# Altium PCB board_ordered.PcbDoc (part 1 of 3) (continued)
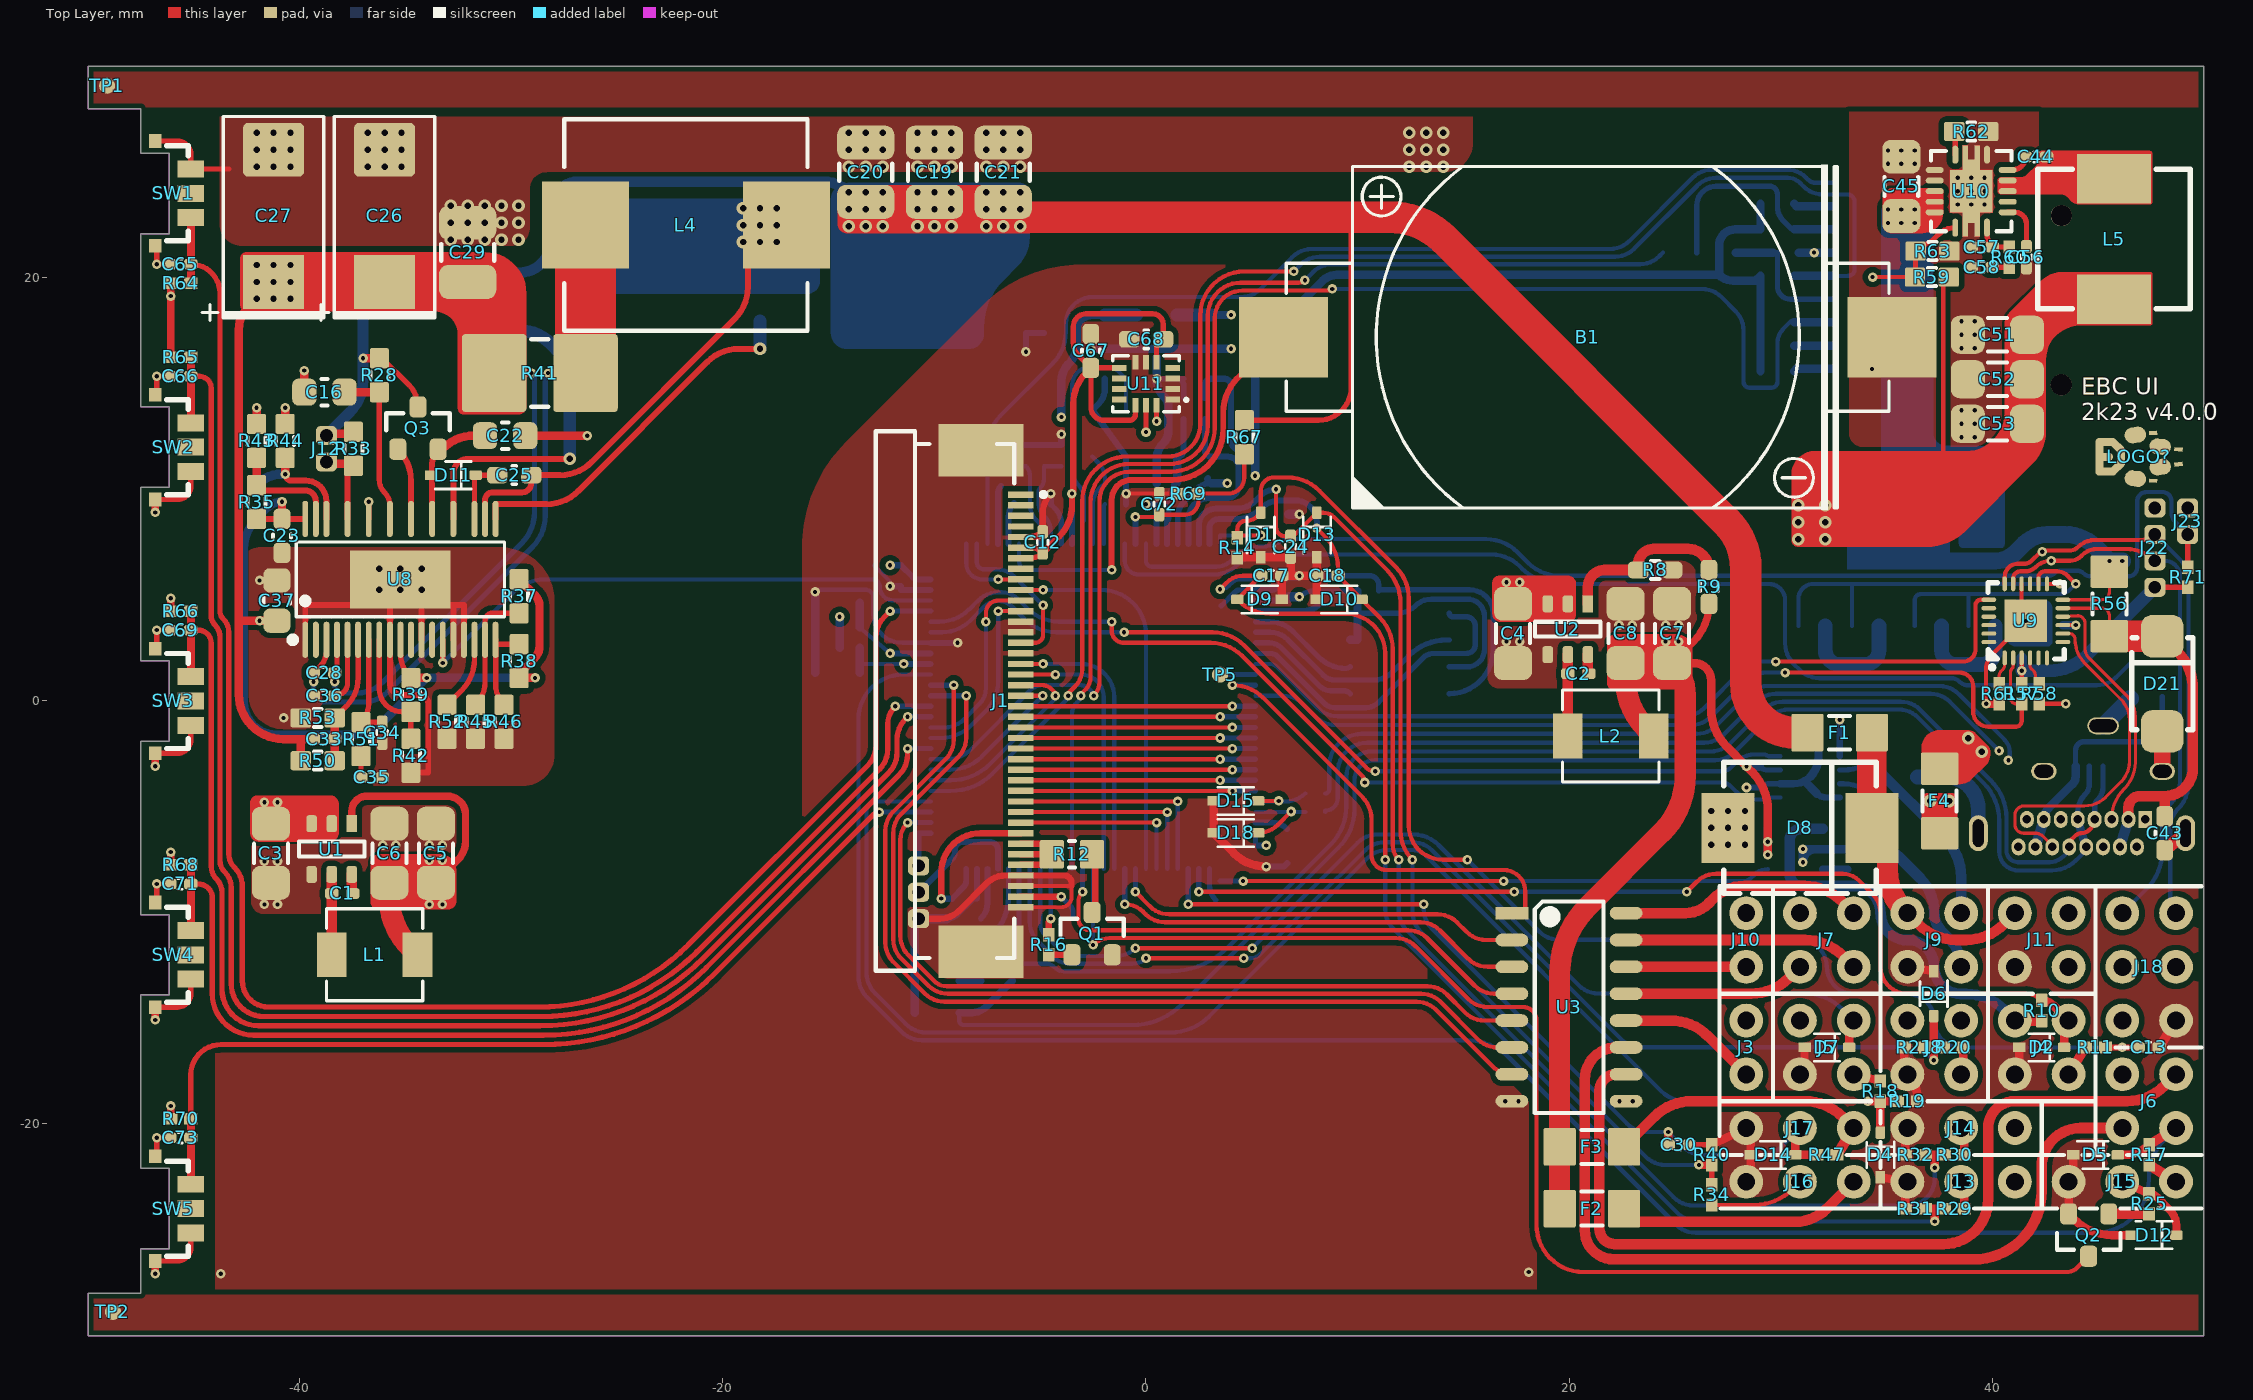
[diagram p0: Top Layer view]
## Components (designator, comment, footprint, x,y, rotation, side; value= is the part's Value field where it differs from the comment)
B1 "CR2032-BS-6-1" BAT-TH_CR2032-BS-6-1 20.885,17.2 r180 top
C1 "100nF" C0402 -38,-9.1 r180 top
C2 "100nF" C0402 20.445,1.294 r180 top
C3 "10uF" C1206 -41.372,-7.2 r90 top
C4 "10uF" C1206 17.352,3.194 r90 top
C5 "10uF" C1206 -33.572,-7.2 r270 top
C6 "10uF" C1206 -35.772,-7.2 r270 top
C7 "10uF" C1206 24.873,3.194 r270 top
C8 "10uF" C1206 22.673,3.194 r270 top
C9 "100nF" C0603 -1.944,17.45 r90 bottom
C10 "100nF" C0603 3.08,17.45 r90 bottom
C11 "100nF" C0402 30.354,21.199 r180 bottom
C12 "100nF" C0402 -4.886,7.5 r270 top
C13 "100n" C0402 47.406,-16.38 r180 top
C14 "100nF" C0402 29,-3.59 r90 bottom
C15 "100nF" C0402 32.296,-1.498 r0 bottom
C16 "" C0805 -38.843,14.604 r180 top
C17 "100n" C0402 5.928,5.923 r180 top
C18 "100n" C0402 8.579,5.923 r0 top
C19 "2u2" C1210 -10,25 r270 top
C20 "2u2" C1210 -13.25,25 r270 top
C21 "2u2" C1210 -6.75,25 r270 top
C22 "4u7" C0805 -30.297,12.545 r0 top
C23 "100n" C0603 -40.85,7.807 r90 top
C24 "100n" C0402 6.836,7.293 r90 top
C25 "100n" C0603 -29.867,10.675 r180 top
C26 "150uF" C7343 -36,23 r90 top
C27 "150uF" C7343 -41.25,23 r90 top
C28 "1n" C0402 -38.86,1.331 r180 top
C29 "22u" C1210 -32.07,21.212 r270 top
C30 "100n" C0402 25.187,-20.984 r180 top
C31 "18pF" C0402 -6.677,11.6 r270 bottom
C32 "18pF" C0402 -4,11.6 r270 bottom
C33 "" C0402 -38.86,-1.8 r0 top
C34 "100p" C0402 -36.114,-1.5 r270 top
C35 "4n7" C0402 -36.614,-3.615 r0 top
C36 "100n" C0402 -38.86,0.243 r180 top
C37 "1u" C0805 -41.091,4.75 r90 top
C38 "1uF" C0603 2.28,10.298 r0 bottom
C39 "100nF" C0402 -1.444,9.298 r180 bottom
C40 "100n" C0402 7.762,6.423 r90 bottom
C41 "1uF" C0603 -8.614,-10.343 r0 bottom
C42 "1uF" C0603 6.679,-6.864 r90 bottom
C43 "1u" C0603 48.165,-6.25 r90 top
C44 "100n" C0402 42.078,25.723 r180 top
C45 "10uF" C1206 35.712,24.329 r270 top
C46 "18pF" C0402 -1.444,15.228 r0 bottom
C47 "18pF" C0402 -1.444,10.314 r180 bottom
C48 "1uF" C0603 2.28,15.228 r0 bottom
C49 "1uF" C0603 2.28,11.501 r0 bottom
C50 "100nF" C0402 2.28,12.493 r0 bottom
C51 "10uF" C1206 40.256,17.314 r0 top
C52 "10uF" C1206 40.256,15.21 r0 top
C53 "10uF" C1206 40.256,13.106 r0 top
C54 "1u" C0402 42.85,3.588 r180 bottom
C55 "1u" C0402 41.4,2.537 r90 bottom
C56 "2n2" C0402 41.626,20.987 r270 top
C57 "91pF" C0402 39.515,21.463 r180 top
C58 "47nF" C0402 39.516,20.511 r180 top
C59 "100nF" C0402 0.5,9.798 r270 bottom
C60 "100nF" C0402 -4,9.298 r0 bottom
C61 "100nF" C0402 6.746,5.423 r270 bottom
C62 "100nF" C0402 5.18,-7.329 r90 bottom
C63 "100nF" C0402 -11.593,5.923 r90 bottom
C64 "100nF" C0402 -8.673,-9.343 r180 bottom
C65 "100n" C0402 -45.663,20.65 r180 top
C66 "100n" C0402 -45.663,15.35 r180 top
C67 "2u2" C0603 -2.605,16.55 r90 top
C68 "100n" C0603 0.01,17.101 r180 top
C69 "100n" C0402 -45.663,3.35 r180 top
C70 "100nF" C0402 10.5,5.2 r180 bottom
C71 "100n" C0402 -45.663,-8.65 r180 top
C72 "100n" C0402 0.632,9.306 r270 top
C73 "100n" C0402 -45.663,-20.65 r180 top
C74 "100n" C0402 6.746,8.331 r270 bottom
D1 "3V3" SOD-323 5.428,7.848 r270 top
D2 "5V" SOD-323 42.35,-16.38 r180 top
D3 "PESD2CAN" SOT-23 35.476,-3.59 r180 bottom
D4 "5V" SOD-323 34.723,-21.46 r270 top
D5 "5V" SOD-323 44.89,-21.46 r180 top
D6 "5V" SOD-323 37.244,-13.84 r90 top
D7 "5V" SOD-323 32.19,-16.38 r180 top
D8 "90V?" SMC 30.92,-6 r180 top
D9 "3V3" SOD-323 5.373,4.803 r0 top
D10 "3V3" SOD-323 9.134,4.803 r180 top
D11 "1N4148WS" SOD-323 -32.75,10.675 r180 top
D12 "5V" SOD-323 47.659,-25.25 r180 top
D13 "3V3" SOD-323 8.079,7.848 r270 top
D14 "3V3" SOD-323 29.65,-21.46 r180 top
D15 "3V3" SOD-323 4.25,-4.725 r180 top
D16 "3V3" SOD-323 -14.591,1.335 r180 bottom
D17 "3V3" SOD-323 -14.591,4.651 r180 bottom
D18 "3V3" SOD-323 4.25,-6.235 r180 top
D19 "3V3" SOD-323 -9.884,-13.221 r180 bottom
D20 "3V3" SOD-323 -9.884,-14.732 r180 bottom
D21 "20V" SMA 48.05,0.813 r90 top
F1 "1A" FUSE-1206 32.796,-1.5 r0 top
F2 "1A" FUSE-1206 21.082,-24 r0 top
F3 "1A" FUSE-1206 21.082,-21.082 r0 top
F4 "2A" FUSE-1206 37.524,-4.726 r270 top
J1 "0541324062" *MOLEX_0541324062 -9.5,0 r270 top locked
J2 "TF-01A" TF-SMD_TF-01A 37.8,18 r270 bottom locked
J3 "" HDR-1X2_2.54 28.38,-16.38 r0 top
J4 "" HDR-2X2_2.54 42.35,-16.38 r0 top
J5 "" HDR-2X2_2.54 32.19,-16.38 r0 top
J6 "" HDR-2X2_2.54 47.43,-18.92 r0 top
J7 "" HDR-2X2_2.54 32.19,-11.3 r0 top
J8 "" HDR-2X2_2.54 37.27,-16.38 r0 top
J9 "" HDR-2X2_2.54 37.27,-11.3 r0 top
J10 "" HDR-1X2_2.54 28.38,-11.3 r0 top
J11 "" HDR-2X2_2.54 42.35,-11.3 r0 top
J12 "" HDR-1x2-P1.25 -38.75,11.925 r270 top
J13 "" HDR-1X3_2.54 38.54,-22.73 r270 top
J14 "" HDR-1X3_2.54 38.54,-20.19 r270 top
J15 "" HDR-1X3_2.54 46.16,-22.73 r270 top
J16 "" HDR-1X3_2.54 30.92,-22.73 r270 top
J17 "" HDR-1X3_2.54 30.92,-20.19 r270 top
J18 "" HDR-2X3_2.54 47.43,-12.57 r0 top
J19 "1051330011" MICRO-USB-SMD_1051330011+ 45.25,-2.25 r0 bottom
J20 "TYPE-C-16PFS-LCH7.45-IPX8" USB-TH_TYPE-C-16PFS-LCH7.45-IPX8 44.25,-6.25 r180 bottom
J21 "SWD" HDR-1x3-P1.25 -10.75,-9.042 r270 bottom
J22 "Header 4" HDR-1x4-P1.25 47.7,7.25 r90 top
J23 "NTC" HDR-1x2-P1.25 49.25,8.5 r90 top
L1 "4.7uH" IND-SMD_L4.4-W4.2 -36.472,-12 r180 top
L2 "4.7uH" IND-SMD_L4.4-W4.2 21.973,-1.656 r180 top
L3 "BEAD" L0603 27.88,20.399 r90 bottom
L4 "33uH" IND_10X11.5MM -21.75,22.5 r180 top
L5 "4.7u" IND-SMD_L7.2-W6.6_GPSR07X0 45.771,21.84 r270 top
L6 "BEAD" L0402 2.78,13.826 r270 bottom
L7 "BEAD" L0402 1.78,13.826 r270 bottom
LOGO? "LOGO" LOGO 45.075,11.544 r270 top
Q1 "IRLML2502" SOT-23 -2.548,-11 r270 top
Q2 "IRLML2502" SOT-23 44.57,-25.25 r90 top
Q3 "BSS123" SOT-23 -34.42,12.901 r270 top
Q4 "AOD66923" "TO-252AA (DPAK)" -14.8,20.25 r270 bottom
Q5 "AOD66923" "TO-252AA (DPAK)" -27,20.25 r270 bottom
Q6 "4884" SO-8 38.25,6 r180 bottom
Q7 "4884" SO-8 32.75,6 r180 bottom
R1 "2k2" R0603#1 29.854,20.099 r180 bottom
R2 "10k" R0603#1 29.854,17.999 r180 bottom
R3 "2k2" R0603#1 29.854,16.799 r180 bottom
R4 "2k2" R0603#1 29.854,15.599 r180 bottom
R5 "2k2" R0603#1 29.854,23.499 r180 bottom
R6 "2k2" R0603#1 29.854,22.299 r180 bottom
R7 "220" R0603#1 25.239,21.199 r180 bottom
R8 "4k7" R0603#2 24.073,6.194 r0 top
R9 "3k" R0603#2 26.619,5.394 r90 top
R10 "1k" R0402 42.349,-14.634 r270 top
R11 "1k" R0402 44.89,-16.38 r180 top
R12 "" R0805 -3.5,-7.25 r0 top
R13 "3k" R0402 33.173,-7.474 r90 bottom
R14 "2k" R0402 4.318,7.25 r90 top
R15 "1k" R1206 36,-6.25 r180 bottom
R16 "2k2" R0402 -4.597,-11.524 r270 top
R17 "2k" R0402 47.43,-21.46 r270 top
R18 "1k" R0402 34.723,-18.444 r270 top
R19 "2k" R0402 36,-18.92 r180 top
R20 "1k" R0402 38.165,-16.38 r180 top
R21 "2k" R0402 36.323,-16.38 r0 top
R22 "2k" R0402 -2.976,-10.286 r180 bottom
R23 "2k2" R0402 -14.012,2.512 r180 bottom
R24 "2k2" R0402 -14.012,3.474 r180 bottom
R25 "1k" R0402 47.423,-23.774 r270 top
R26 "22" R0603#1 -6.324,-12.421 r270 bottom
R27 "22" R0603#1 -7.814,-12.421 r270 bottom
R28 "2.2" R0603#1 -36.25,15.404 r270 top
R29 "1k" R0402 38.216,-24 r180 top
R30 "1k" R0402 38.216,-21.46 r180 top
R31 "2k" R0402 36.374,-24 r0 top
R32 "2k" R0402 36.374,-21.46 r0 top
R33 "" R0603#1 -37.475,11.925 r270 top
R34 "1k" R0402 26.75,-23.349 r90 top
R35 "" R0603#1 -42.052,9.408 r90 top
R36 "" R0603#1 -42.052,9.425 r90 bottom
R37 "" R0603#1 -29.636,4.95 r270 top
R38 "" R0603#1 -29.636,1.888 r90 top
R39 "" R0603#1 -34.76,0.288 r270 top
R40 "2k" R0402 26.75,-21.46 r270 top
R41 "6mR" R2512-WIDE -28.66,15.507 r180 top
R42 "" R0603#1 -34.76,-2.586 r270 top
R43 "" R0603#1 -42.052,12.294 r90 top
R44 "" R0603#1 -40.7,12.294 r90 top
R45 "" R0603#1 -31.696,-0.986 r270 top
R46 "" R0603#1 -30.348,-0.986 r270 top
R47 "1k" R0402 32.19,-21.46 r0 top
R48 "1k" R0402 8,-4.37 r0 bottom
R49 "1k" R0402 8,-5.25 r180 bottom
R50 "180k" R0603#1 -39.16,-2.825 r0 top
R51 "10k" R0603#1 -37.114,-1.8 r270 top
R52 "30k" R0603#1 -33.044,-0.986 r270 top
R53 "13k" R0603#1 -39.16,-0.8 r180 top
R54 "100k" R0603#1 48.05,1 r90 bottom
R55 "10k" R0603#1 46.55,1 r270 bottom
R56 "10mR" R1206 45.55,4.587 r270 top
R57 "10k" R0402 41.4,0.345 r270 top
R58 "62k" R0402 42.238,0.345 r90 top
R59 "51k" R0603#1 37.16,20.041 r180 top
R60 "2k2" R0402 40.818,20.987 r270 top
R61 "0" R0402 40.335,0.345 r270 top
R62 "51k" R0603#1 39.015,26.924 r180 top
R63 "10k" R0603#1 37.186,21.267 r0 top
R64 "10k" R0402 -45.639,19.75 r0 top
R65 "10k" R0402 -45.639,16.25 r0 top
R66 "10k" R0402 -45.639,4.25 r0 top
R67 "100k" R0603#1 4.648,12.471 r270 top
R68 "10k" R0402 -45.639,-7.75 r0 top
R69 "3k" R0402 2,9.806 r180 top
R70 "10k" R0402 -45.639,-19.75 r0 top
R71 "10k" R0402 49.25,5.851 r90 top
SW1 "EVPAEDB2A" KEY-SMD_EVPAEBB2A -46,24 r270 top
SW2 "EVPAEDB2A" KEY-SMD_EVPAEBB2A -46,12 r270 top
SW3 "EVPAEDB2A" KEY-SMD_EVPAEBB2A -46,0 r270 top
SW4 "EVPAEDB2A" KEY-SMD_EVPAEBB2A -46,-12 r270 top
SW5 "EVPAEDB2A" KEY-SMD_EVPAEBB2A -46,-24 r270 top
TP1 "" TP30_SMD -49.115,29.091 r90 top
TP2 "" TP30_SMD -48.84,-28.884 r90 top
TP3 "" TP30_SMD -49.115,29.091 r90 bottom
TP4 "" TP30_SMD -48.84,-28.884 r90 bottom
TP5 "" TP30_SMD 3.5,1.25 r90 top
TP6 "" TP30_SMD 8.137,4.531 r90 bottom
TP7 "" TP30_SMD 3.294,-9.408 r90 bottom
TP8 "" TP30_SMD -6.855,10.162 r90 bottom
TP9 "" TP30_SMD -6.235,9.355 r90 bottom
U1 "AP63203WU-7" SOT-23-6 -38.5,-7 r90 top
U2 "AP63203WU-7" SOT-23-6 19.945,3.394 r90 top
U3 "ULN2003AA" SOIC-16 20,-14.475 r270 top
U4 "REF3033" SOT-23 0.5,17.25 r90 bottom
U5 "DIO7002AST5" SOT-23-5 30.7,-7 r0 bottom
U6 "SIT1042QTK/3" DFN8_3X3_P065 31.396,-3.59 r0 bottom
U7 "STM32F405VGT6" *QFP50P1600X1600X160-100N -2.5,-0.25 r270 bottom
U8 "LTC3895HFE#PBF" TSSOP-38_L9.7-W4.4-P0.50-LS6.4-BL-EP-PE -35.25,5.75 r0 top
U9 "RT1711PGQW" TQFN-24_L3.5-W3.5-P0.40-TL-EP2.0 41.6,3.787 r90 top
U10 "TPS54620RGYR" VQFN-14_L3.5-W3.5-P0.50-BL-EP_TPS54622RHLT 39.015,24.104 r270 top
U11 "LSM6DS3TR-C" LGA-14_L3.0-W2.5-P0.50-TL 0,15 r180 top
U12 "FM25V10-GTR" SOIC-8 12,2.25 r270 bottom
X1 "32.768kHz" MC-146 -5.301,14.25 r90 bottom
X2 "12MHZ" CRYSTAL_3.2x2.5mm -1.744,12.651 r90 bottom

## Footprints (in the part's own frame and the unit in brackets; to place one, negate y for a bottom-side part, rotate by r counter-clockwise, add the part's x,y. Pads: shape width x height; smd on the part's side, far side on the other; paste and mask are expansions set on the pad)
*MOLEX_0541324062 [mm]
  rect 0.3x1.2 smd: 1(-9.75,3.575) 2(-9.25,3.575) 3(-8.75,3.575) 4(-8.25,3.575) 5(-7.75,3.575) 6(-7.25,3.575) 7(-6.75,3.575) 8(-6.25,3.575) 9(-5.75,3.575) 10(-5.25,3.575) 11(-4.75,3.575) 12(-4.25,3.575) 13(-3.75,3.575) 14(-3.25,3.575) 15(-2.75,3.575) 16(-2.25,3.575) 17(-1.75,3.575) 18(-1.25,3.575) 19(-0.75,3.575) 20(-0.25,3.575) 21(0.25,3.575) 22(0.75,3.575) 23(1.25,3.575) 24(1.75,3.575) 25(2.25,3.575) 26(2.75,3.575) 27(3.25,3.575) 28(3.75,3.575) 29(4.25,3.575) 30(4.75,3.575) 31(5.25,3.575) 32(5.75,3.575) 33(6.25,3.575) 34(6.75,3.575) 35(7.25,3.575) 36(7.75,3.575) 37(8.25,3.575) 38(8.75,3.575) 39(9.25,3.575) 40(9.75,3.575)
  rect 2.5x4 smd: 41(-11.856,1.7) 41(11.856,1.7)
  silkscreen extent -12.75,-3.27 12.75,4.77, body extent -12.15,-1.8 12.15,4.05, height 2.11
*QFP50P1600X1600X160-100N [mm]
  rect 1.56x0.28 smd: 1(-7.68,6) 2(-7.68,5.5) 3(-7.68,5) 4(-7.68,4.5) 5(-7.68,4) 6(-7.68,3.5) 7(-7.68,3) 8(-7.68,2.5) 9(-7.68,2) 10(-7.68,1.5) 11(-7.68,1) 12(-7.68,0.5) 13(-7.68,0) 14(-7.68,-0.5) 15(-7.68,-1) 16(-7.68,-1.5) 17(-7.68,-2) 18(-7.68,-2.5) 19(-7.68,-3) 20(-7.68,-3.5) 21(-7.68,-4) 22(-7.68,-4.5) 23(-7.68,-5) 24(-7.68,-5.5) 25(-7.68,-6) 51(7.68,-6) 52(7.68,-5.5) 53(7.68,-5) 54(7.68,-4.5) 55(7.68,-4) 56(7.68,-3.5) 57(7.68,-3) 58(7.68,-2.5) 59(7.68,-2) 60(7.68,-1.5) 61(7.68,-1) 62(7.68,-0.5) 63(7.68,0) 64(7.68,0.5) 65(7.68,1) 66(7.68,1.5) 67(7.68,2) 68(7.68,2.5) 69(7.68,3) 70(7.68,3.5) 71(7.68,4) 72(7.68,4.5) 73(7.68,5) 74(7.68,5.5) 75(7.68,6)
  rect 0.28x1.56 smd: 26(-6,-7.68) 27(-5.5,-7.68) 28(-5,-7.68) 29(-4.5,-7.68) 30(-4,-7.68) 31(-3.5,-7.68) 32(-3,-7.68) 33(-2.5,-7.68) 34(-2,-7.68) 35(-1.5,-7.68) 36(-1,-7.68) 37(-0.5,-7.68) 38(0,-7.68) 39(0.5,-7.68) 40(1,-7.68) 41(1.5,-7.68) 42(2,-7.68) 43(2.5,-7.68) 44(3,-7.68) 45(3.5,-7.68) 46(4,-7.68) 47(4.5,-7.68) 48(5,-7.68) 49(5.5,-7.68) 50(6,-7.68) 76(6,7.68) 77(5.5,7.68) 78(5,7.68) 79(4.5,7.68) 80(4,7.68) 81(3.5,7.68) 82(3,7.68) 83(2.5,7.68) 84(2,7.68) 85(1.5,7.68) 86(1,7.68) 87(0.5,7.68) 88(0,7.68) 89(-0.5,7.68) 90(-1,7.68) 91(-1.5,7.68) 92(-2,7.68) 93(-2.5,7.68) 94(-3,7.68) 95(-3.5,7.68) 96(-4,7.68) 97(-4.5,7.68) 98(-5,7.68) 99(-5.5,7.68) 100(-6,7.68)
  silkscreen extent -9.1,-7.1 7.1,7.1, body extent -7,-7 7,7, height 1.2
BAT-TH_CR2032-BS-6-1 [mm]
  rect 4.2x3.8 smd: 1(14.385,0) 2(-14.385,0)
  silkscreen extent -14.25,-8.15 14.25,8.15, body extent -12,-10 11.5,10, height 5.5
C0402 [mm] "Chip Capacitor Body"
  rrect50% 0.635x0.508 smd mask+0.05: 1(-0.5,0) 2(0.5,0)
  body extent -0.52,-0.27 0.53,0.28, height 0.55
C0603 [mil] "Chip Capacitor"
  rrect50% 38x31 smd mask+1.97: 1(-31.5,0) 2(31.5,0)
  silkscreen extent -3,-17 3,17, body extent -33,-18 33,18, height 35
C0805 [mil] "Chip Capacitor"
  rrect50% 45x50 smd mask+1.97: 1(-37.5,0) 2(37.5,0)
  silkscreen extent -6,-25 6,25, body extent -41,-27 41,27, height 53
C1206 [mm] "Chip Capacitor"
  rrect50% 1.6x1.8 smd: 1(-1.4,0) 2(1.4,0)
  silkscreen extent -0.45,-0.8 0.45,0.8, body extent -1.6,-0.88 1.6,0.92, height 1.6
C1210 [mm] "Chip Capacitor"
  rrect50% 1.6x2.7 smd mask+0.05: 1(-1.4,0) 2(1.4,0)
  silkscreen extent -0.4,-1.25 0.4,1.25, body extent -1.75,-1.35 1.75,1.35, height 1.8
C7343 [mm] "C7343_1"
  rect 2.55x2.9 smd: 1(-3.188,0)
  rrect20% 2.55x2.9 smd: 2(3.061,0)
  silkscreen extent -5,-2.37 4.64,3.37, body extent -3.7,-2.22 3.7,2.22, height 3.01
CRYSTAL_3.2x2.5mm [mm]
  rect 1.4x1.2 smd mask+0.05: 1(-1.1,-0.8)
  rrect40% 1.4x1.2 smd mask+0.05: 2(-1.1,0.8) 3(1.1,0.8) 4(1.1,-0.8)
  silkscreen extent -1.97,-1.57 1.97,1.57, body extent -1.6,-1.25 1.6,1.25, height 0.82
DFN8_3X3_P065 [mm]
  rect 0.65x0.35 smd mask+0.05: 1(-1.4,0.975)
  rrect50% 0.65x0.35 smd mask+0.05: 2(-1.4,0.325) 3(-1.4,-0.325) 4(-1.4,-0.975) 5(1.4,-0.975) 6(1.4,-0.325) 7(1.4,0.325) 8(1.4,0.975)
  rect 1.2x2.15 smd mask+0.05: 9(0,0)
  silkscreen extent -2.22,-1.7 1.7,1.7, body extent -1.51,-1.5 1.51,1.5, height 0.8
FUSE-1206 [mil] "Chip FUSE;"
  rrect10% 60x70 smd mask+1.97: 1(-60,0) 2(60,0)
  silkscreen extent -20,-31 20,31, body extent -67,-33 67,33, height 31
HDR-1x2-P1.25 [mm]
  rrect50% 0.9x1 hole 0.6: 1(-0.625,0) 2(0.625,0)
HDR-1X2_2.54 [mm]
  round 1.6 hole 0.85: 1(0,1.27) 2(0,-1.27)
  silkscreen extent -1.27,-2.54 1.27,2.54
HDR-1x3-P1.25 [mm]
  rrect50% 0.9x1 hole 0.6: 1(-1.25,0) 2(0,0) 3(1.25,0)
HDR-1X3_2.54 [mm]
  round 1.6 hole 0.85: 1(0,2.54) 2(0,0) 3(0,-2.54)
  silkscreen extent -1.27,-3.81 1.27,3.81
HDR-1x4-P1.25 [mm]
  rrect50% 0.9x1 hole 0.6: 1(-1.875,0) 2(-0.625,0) 3(0.625,0) 4(1.875,0)
HDR-2X2_2.54 [mm]
  round 1.6 hole 0.85: 1(-1.27,1.27) 2(1.27,1.27) 3(-1.27,-1.27) 4(1.27,-1.27)
  silkscreen extent -2.54,-2.54 2.54,2.54
HDR-2X3_2.54 [mm]
  round 1.6 hole 0.85: 1(-1.27,2.54) 2(1.27,2.54) 3(-1.27,0) 4(1.27,0) 5(-1.27,-2.54) 6(1.27,-2.54)
  silkscreen extent -2.54,-3.81 2.47,3.81
IND-SMD_L4.4-W4.2 [mm]
  rect 1.4x2.12 smd: 1(2.028,0) 2(-2.028,0)
  silkscreen extent -2.28,-2.18 2.28,2.18, body extent -2.28,-2.18 2.28,2.18, height 1.8
IND-SMD_L7.2-W6.6_GPSR07X0 [mm]
  rect 2.35x3.5 smd: 1(-2.85,0) 2(2.85,0)
  silkscreen extent -3.3,-3.6 3.3,3.6, body extent -3.3,-3.6 3.3,3.6, height 3
IND_10X11.5MM [mm]
  rect 4.1x4.1 smd: 1(-4.75,0) 2(4.75,0)
  silkscreen extent -5.75,-5 5.75,5, body extent -6,-5 6,5, height 4.8
KEY-SMD_EVPAEBB2A [mm]
  rect 0.8x1.25 smd paste+0 mask+0.051: 1(-1.15,0.837) 2(0,0.838) 3(1.15,0.837)
  rect 0.65x0.6 smd paste+0 mask+0.051: 4(2.475,-0.838) 5(-2.475,-0.838)
  Keep-Out Layer lines w0.01: 2.78,-1.537 1.9,-1.537 1.9,-0.187 -1.9,-0.187 -1.9,-1.537 -2.81,-1.537
  silkscreen extent -2.25,-0.31 2.25,0.71, body extent -2.78,-1.93 2.78,0.68, height 1.02
L0402 [mm] "Chip Inductor"
  rrect50% 0.635x0.508 smd mask+0.05: 1(-0.5,0) 2(0.5,0)
  silkscreen extent -0.1,-0.25 0.1,0.25, body extent -0.5,-0.25 0.5,0.25, height 0.5
L0603 [mil] "Chip Inductor"
  rrect50% 38x33.46 smd mask+1.97: 1(-31.5,0) 2(31.5,0)
  silkscreen extent -3,-17 3,17, body extent -31,-16 31,16, height 31
LGA-14_L3.0-W2.5-P0.50-TL [mm]
  rect 0.675x0.28 smd paste+0 mask+0.051: 1(-1.262,0.75) 2(-1.262,0.25) 3(-1.262,-0.25) 4(-1.262,-0.75) 8(1.262,-0.75) 9(1.262,-0.25) 10(1.262,0.25) 11(1.262,0.75)
  rect 0.28x0.675 smd paste+0 mask+0.051: 5(-0.5,-1.012) 6(0,-1.012) 7(0.5,-1.012) 12(0.5,1.012) 13(0,1.012) 14(-0.5,1.012)
  silkscreen extent -1.98,-1.33 1.58,1.33, body extent -1.5,-1.25 1.5,1.25, height 0.8
LOGO [mil]
  rect 15.75x7.87 smd rot 93 mask+4: ""(-44.55,100)
  oval 30x40 smd rot 8 mask+4: ""(-40.55,67)
  oval 15x39.5 smd mask+4: ""(-27.5,12.5) ""(27.5,12.5)
  oval 15x36.21 smd rot 135 mask+4: ""(-20,32.5)
  oval 30x40 smd rot 173 mask+4: ""(-18.99,113.27)
  rect 15.75x7.87 smd rot 83 mask+4: ""(-13.91,147.15)
  oval 39.5x15 smd mask+4: ""(0,40)
  oval 15x32.5 smd mask+4: ""(0,9)
  oval 70x15 smd mask+4: ""(0,0)
  rect 15.75x7.87 smd rot 97 mask+4: ""(13.91,147.15)
  oval 30x40 smd rot 7 mask+4: ""(18.99,113.27)
  oval 15x36.21 smd rot 45 mask+4: ""(20,32.5)
  oval 30x40 smd rot 172 mask+4: ""(40.55,67)
  rect 15.75x7.87 smd rot 87 mask+4: ""(44.55,100)
MC-146 [mm]
  rect 1.2x0.6 smd: 1(-3.15,-0.425) 2(3.15,-0.425) 3(3.15,0.425) 4(-3.15,0.425)
  silkscreen extent -2.27,-0.75 2.3,0.75, body extent -3.35,-0.75 3.55,0.75, height 1.45
MICRO-USB-SMD_1051330011+ [mm]
  rect 0.45x1.5 smd paste-100 mask+0.051: 1(-1.3,0.825) 2(-0.65,0.825) 3(0,0.825) 4(0.65,0.825) 5(1.3,0.825)
  oval 1.2x0.8 hole 0.6 slot 0.9 at 0 deg paste-2539.97 mask+0.051: 6(-2.8,1.075) 7(2.8,1.075)
  oval 1.5x0.8 hole 0.6 slot 1.3 at 0 deg paste-2539.97 mask+0.051: 8(0,-1.075)
  silkscreen extent -4.06,-1.65 4,1.5, body extent -4,-1.57 4,1.5, height 6.78
R0402 [mm]
  rrect10% 0.635x0.55 smd mask+0.05: 1(-0.476,0) 2(0.476,0)
  body extent -0.52,-0.27 0.53,0.28, height 0.4
R0603#1 [mil] "Chip Resistor; Body 1.6 x 0.8 mm (LxW typ)"
  rrect20% 38x35.43 smd mask+1.97: 1(-31.5,0) 2(31.5,0)
  silkscreen extent -7,-17 7,17, body extent -33,-18 33,18, height 22
R0603#2 [mil] "Chip Resistor; Body 1.6 x 0.8 mm (LxW typ)"
  rrect50% 38x31 smd mask+1.97: 1(-31.5,0) 2(31.5,0)
  silkscreen extent -8,-17 8,17, body extent -33,-18 33,18, height 22
R0805 [mil] "Chip Resistor; Body 1.6 x 0.8 mm (LxW typ)"
  rrect15% 45x53.15 smd: 1(-37.5,0) 2(37.5,0)
  silkscreen extent -6,-25 6,25, body extent -41,-27 41,27, height 24
R1206 [mil] "Chip Resistor"
  rrect10% 60x70 smd mask+1.97: 1(-60,0) 2(60,0)
  silkscreen extent -20,-31 20,31, body extent -65,-33 65,33, height 26
R2512-WIDE [mm] "Chip Resistor; Body 6.4 x 3.2 mm (LxW typ)"